# KiCad board OM-16LED.kicad_pcb (continued)
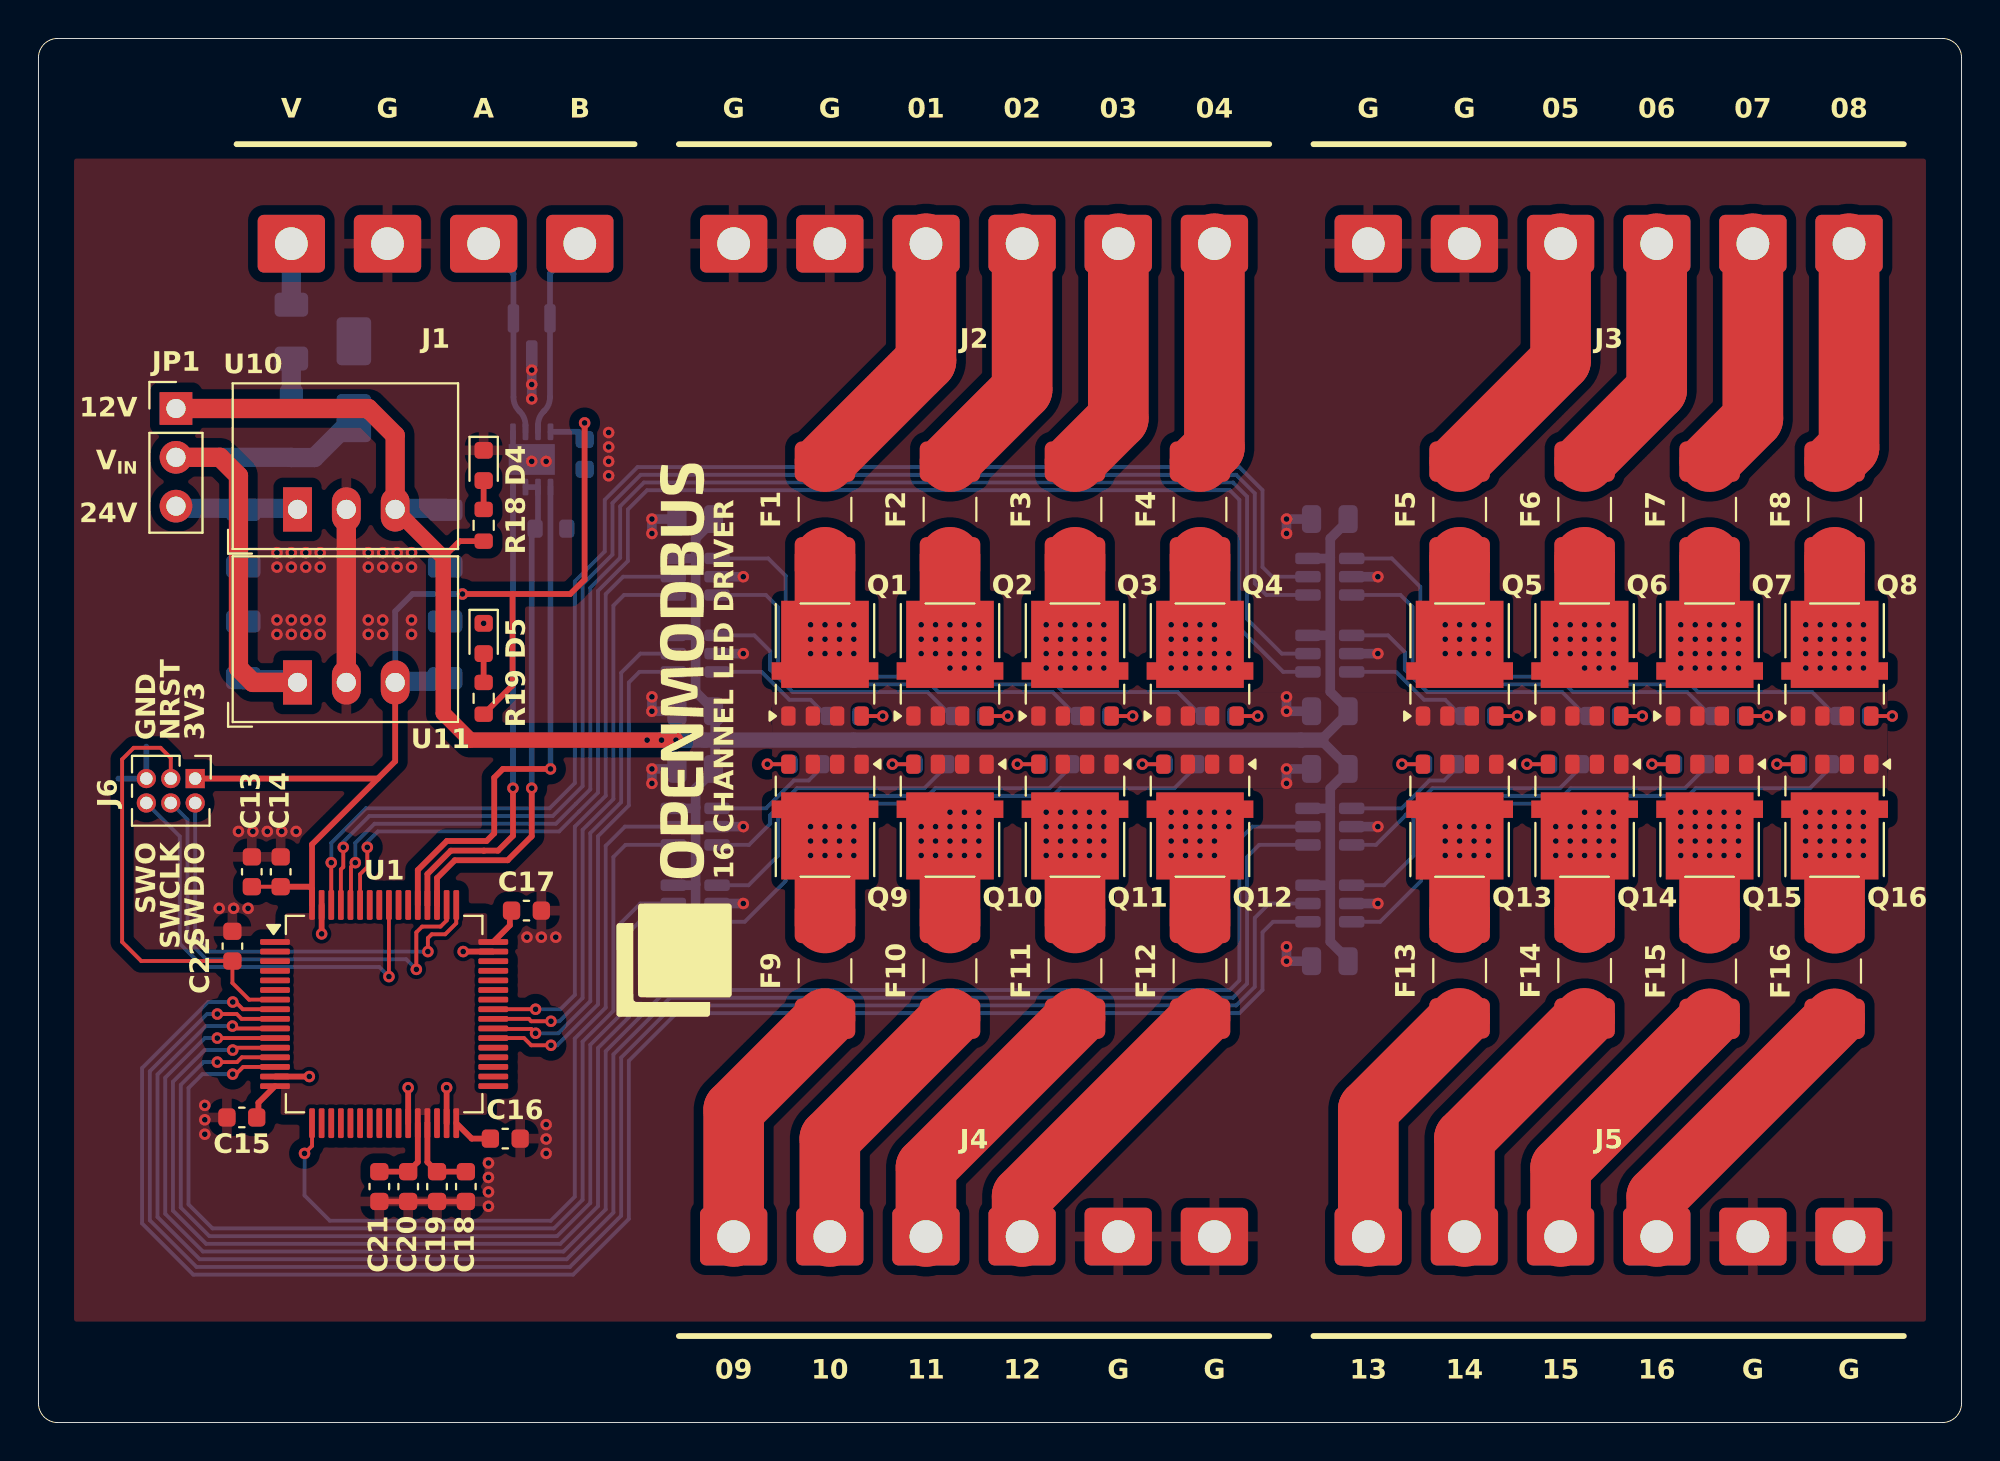
[diagram p0: board, top side]
## Footprints (pads in the part's own frame, mm; a bottom-side part is the same pattern mirrored in y, then rotated)
C_0603_1608Metric
  rrect 0.9x0.95 smd: 1(-0.775,0) 2(0.775,0)
C_0805_2012Metric
  rrect 1x1.45 smd: 1(-0.95,0) 2(0.95,0)
C_1206_3216Metric
  rrect 1.15x1.8 smd: 1(-1.475,0) 2(1.475,0)
Converter_DCDC_RECOM_R-78E-0.5_THT
  rect 1.5x2.3 hole 1: 1(0,0)
  oval 1.5x2.3 hole 1: 2(2.54,0) 3(5.08,0)
D_SMA
  rrect 2.5x1.8 smd: 1(-2,0) 2(2,0)
D_SOD-123
  rrect 0.9x1.2 smd: 1(-1.65,0) 2(1.65,0)
Fuse_0679H
  rrect 2.1x3.15 smd: 1(-2.487,0) 2(2.487,0)
Fuse_1206_3216Metric
  rrect 1.25x1.75 smd: 1(-1.4,0) 2(1.4,0)
LED_0603_1608Metric
  rrect 0.875x0.95 smd: 1(-0.787,0) 2(0.787,0)
LQFP-64_10x10mm_P0.5mm
  rrect 1.55x0.3 smd: 1(-5.675,3.75) 2(-5.675,3.25) 3(-5.675,2.75) 4(-5.675,2.25) 5(-5.675,1.75) 6(-5.675,1.25) 7(-5.675,0.75) 8(-5.675,0.25) 9(-5.675,-0.25) 10(-5.675,-0.75) 11(-5.675,-1.25) 12(-5.675,-1.75) 13(-5.675,-2.25) 14(-5.675,-2.75) 15(-5.675,-3.25) 16(-5.675,-3.75) 33(5.675,-3.75) 34(5.675,-3.25) 35(5.675,-2.75) 36(5.675,-2.25) 37(5.675,-1.75) 38(5.675,-1.25) 39(5.675,-0.75) 40(5.675,-0.25) 41(5.675,0.25) 42(5.675,0.75) 43(5.675,1.25) 44(5.675,1.75) 45(5.675,2.25) 46(5.675,2.75) 47(5.675,3.25) 48(5.675,3.75)
  rrect 0.3x1.55 smd: 17(-3.75,-5.675) 18(-3.25,-5.675) 19(-2.75,-5.675) 20(-2.25,-5.675) 21(-1.75,-5.675) 22(-1.25,-5.675) 23(-0.75,-5.675) 24(-0.25,-5.675) 25(0.25,-5.675) 26(0.75,-5.675) 27(1.25,-5.675) 28(1.75,-5.675) 29(2.25,-5.675) 30(2.75,-5.675) 31(3.25,-5.675) 32(3.75,-5.675) 49(3.75,5.675) 50(3.25,5.675) 51(2.75,5.675) 52(2.25,5.675) 53(1.75,5.675) 54(1.25,5.675) 55(0.75,5.675) 56(0.25,5.675) 57(-0.25,5.675) 58(-0.75,5.675) 59(-1.25,5.675) 60(-1.75,5.675) 61(-2.25,5.675) 62(-2.75,5.675) 63(-3.25,5.675) 64(-3.75,5.675)
ONSemi_SO-8FL_488AA
  rrect 1x0.75 smd: 1(-2.747,1.905) 2(-2.747,0.635) 3(-2.747,-0.635) 4(-2.747,-1.905)
  custom 4.53x5.55 smd: 5(0.745,0)
PinHeader_1x03_P2.54mm_Vertical
  rect 1.7x1.7 hole 1: 1(0,0)
  round 1.7 hole 1: 2(0,-2.54) 3(0,-5.08)
PinHeader_2x03_P1.27mm_Vertical
  rect 1x1 hole 0.65: 1(0,0)
  round 1 hole 0.65: 2(1.27,0) 3(0,-1.27) 4(1.27,-1.27) 5(0,-2.54) 6(1.27,-2.54)
R_0603_1608Metric
  rrect 0.8x0.95 smd: 1(-0.825,0) 2(0.825,0)
SOT-23
  rrect 1.475x0.6 smd: 1(-0.938,0.95) 2(-0.938,-0.95) 3(0.938,0)
SOT-23-6
  rrect 1.325x0.6 smd: 1(-1.137,0.95) 2(-1.137,0) 3(-1.137,-0.95) 4(1.137,-0.95) 5(1.137,0) 6(1.137,0.95)
TerminalBlock_DEGSON_2EDGVC-5.0-04P_No_SilkScreen
  rrect 3.5x3 hole 1.7: 1(0,0) 2(5,0) 3(10,0) 4(15,0)
TerminalBlock_DEGSON_2EDGVC-5.0-06P_No_SilkScreen
  rrect 3.5x3 hole 1.7: 1(0,0) 2(5,0) 3(10,0) 4(15,0) 5(20,0) 6(25,0)
VSON-8-1EP_3x3mm_P0.65mm_EP1.6x2.4mm
  rrect 1.29x0.97 smd: (0,-0.6) (0,0.6)
  rrect 0.875x0.3 smd: 1(-1.438,0.975) 2(-1.438,0.325) 3(-1.438,-0.325) 4(-1.438,-0.975) 5(1.438,-0.975) 6(1.438,-0.325) 7(1.438,0.325) 8(1.438,0.975)
  rect 1.6x2.4 smd: 9(0,0)

## Nets
+3V3: C12.1 C13.1 C14.1 C15.1 C16.1 C17.1 C18.1 C19.1 C20.1 C21.1 C23.2 J6.1 R19.1 U1.1 U1.16 U1.28 U1.29 U1.32 U1.48 U1.64 U11.3 U12.8
+12V: C1.1 C2.1 C3.1 C4.1 C5.1 C6.1 C7.1 C8.1 C10.1 JP1.1 R18.1 U2.6 U3.6 U4.6 U5.6 U6.6 U7.6 U8.6 U9.6 U10.3
+24V: C9.1 JP1.3 U10.1
GND: C1.2 C2.2 C3.2 C4.2 C5.2 C6.2 C7.2 C8.2 C9.2 C10.2 C11.2 C12.2 C13.2 C14.2 C15.2 C16.2 C17.2 C18.2 C19.2 C20.2 C21.2 C22.1 C23.1 D2.2 D3.3 D4.1 D5.1 J1.2 J2.1 J2.2 J3.1 J3.2 J4.1 J4.2 J5.1 J5.2 J6.5 Q1.1 Q1.2 Q1.3 Q2.1 Q2.2 Q2.3 Q3.1 Q3.2 Q3.3 Q4.1 Q4.2 Q4.3 Q5.1 Q5.2 Q5.3 Q6.1 Q6.2 Q6.3 Q7.1 Q7.2 Q7.3 Q8.1 Q8.2 Q8.3 Q9.1 Q9.2 Q9.3 Q10.1 Q10.2 Q10.3 Q11.1 Q11.2 Q11.3 Q12.1 Q12.2 Q12.3 Q13.1 Q13.2 Q13.3 Q14.1 Q14.2 Q14.3 Q15.1 Q15.2 Q15.3 Q16.1 Q16.2 Q16.3 R17.2 U1.15 U1.27 U1.31 U1.47 U1.63 U2.2 U3.2 U4.2 U5.2 U6.2 U7.2 U8.2 U9.2 U10.2 U11.2 U12.5 U12.9
VIN: C11.1 D1.1 D2.1 JP1.2 U11.1
A: D3.1 J1.3 U12.6
B: D3.2 J1.4 U12.7
CH1: F1.2 J2.3
CH2: F2.2 J2.4
CH3: F3.2 J2.5
CH4: F4.2 J2.6
CH5: F5.2 J3.3
CH6: F6.2 J3.4
CH7: F7.2 J3.5
CH8: F8.2 J3.6
CH9: F9.2 J4.6
CH10: F10.2 J4.5
CH11: F11.2 J4.4
CH12: F12.2 J4.3
CH13: F13.2 J5.6
CH14: F14.2 J5.5
CH15: F15.2 J5.4
CH16: F16.2 J5.3
DIR: R17.1 U1.51 U12.2 U12.3
IN1: U1.38 U2.4
IN2: U1.39 U2.5
IN3: U1.40 U3.4
IN4: U1.41 U3.5
IN5: U1.59 U4.4
IN6: U1.60 U4.5
IN7: U1.61 U5.4
IN8: U1.62 U5.5
IN9: U1.17 U6.5
IN10: U1.14 U6.4
IN11: U1.13 U7.5
IN12: U1.12 U7.4
IN13: U1.11 U8.5
IN14: U1.10 U8.4
IN15: U1.9 U9.5
IN16: U1.8 U9.4
NRST: C22.2 J6.3 U1.7
RX: U1.53 U12.1
SWCLK: J6.4 U1.50
SWDIO: J6.2 U1.49
SWO: J6.6 U1.56
TX: U1.52 U12.4
Net-(D1-A): D1.2 F17.2
Net-(D4-A): D4.2 R18.2
Net-(D5-A): D5.2 R19.2
Net-(J1-Pin_1): F17.1 J1.1
Net-(Q1-D): F1.1 Q1.5
Net-(Q1-G): Q1.4 R1.2
Net-(Q2-D): F2.1 Q2.5
Net-(Q2-G): Q2.4 R2.2
Net-(Q3-D): F3.1 Q3.5
Net-(Q3-G): Q3.4 R3.2
Net-(Q4-D): F4.1 Q4.5
Net-(Q4-G): Q4.4 R4.2
Net-(Q5-D): F5.1 Q5.5
Net-(Q5-G): Q5.4 R5.2
Net-(Q6-D): F6.1 Q6.5
Net-(Q6-G): Q6.4 R6.2
Net-(Q7-D): F7.1 Q7.5
Net-(Q7-G): Q7.4 R7.2
Net-(Q8-D): F8.1 Q8.5
Net-(Q8-G): Q8.4 R8.2
Net-(Q9-D): F9.1 Q9.5
Net-(Q9-G): Q9.4 R9.2
Net-(Q10-D): F10.1 Q10.5
Net-(Q10-G): Q10.4 R10.2
Net-(Q11-D): F11.1 Q11.5
Net-(Q11-G): Q11.4 R11.2
Net-(Q12-D): F12.1 Q12.5
Net-(Q12-G): Q12.4 R12.2
Net-(Q13-D): F13.1 Q13.5
Net-(Q13-G): Q13.4 R13.2
Net-(Q14-D): F14.1 Q14.5
Net-(Q14-G): Q14.4 R14.2
Net-(Q15-D): F15.1 Q15.5
Net-(Q15-G): Q15.4 R15.2
Net-(Q16-D): F16.1 Q16.5
Net-(Q16-G): Q16.4 R16.2
Net-(U2-OUTA): R1.1 U2.3
Net-(U2-OUTB): R2.1 U2.1
Net-(U3-OUTA): R3.1 U3.3
Net-(U3-OUTB): R4.1 U3.1
Net-(U4-OUTA): R5.1 U4.3
Net-(U4-OUTB): R6.1 U4.1
Net-(U5-OUTA): R7.1 U5.3
Net-(U5-OUTB): R8.1 U5.1
Net-(U6-OUTA): R10.1 U6.3
Net-(U6-OUTB): R9.1 U6.1
Net-(U7-OUTA): R12.1 U7.3
Net-(U7-OUTB): R11.1 U7.1
Net-(U8-OUTA): R14.1 U8.3
Net-(U8-OUTB): R13.1 U8.1
Net-(U9-OUTA): R16.1 U9.3
Net-(U9-OUTB): R15.1 U9.1

Pads without a net: U1 2 3 4 5 6 18 19 20 21 22 23 24 25 26 30 33 34 35 36 37 42 43 44 45 46 54 55 57 58

## Via types
v1: diameter 0.6, hole 0.3, Top to Bottom, 409 vias

## Routing (per net, layer and track width the routed paths; a pad name or vN(x,y) marks a point on that pad's centre or on a via; arc(x,y) is an arc through that point)
+3V3: length 75.2
  Top w0.2: C13.1 C14.1
  Top w0.3: 23.41,14.77 22.53,14.77 U1.32 ; v1(28.4,52) 28.4,43.85 27.65,43.1 24.65,43.1 ; 17.65,33.5 14.22,30.08 14.22,27.75 ; 17.65,33.5 J6.1 ; 17.65,33.5 18.55,34.4 U11.3 ; U1.28 19.73,13.55 C20.1 C21.1 ; R19.1 24.65,38.35 24.65,43.1 ; 11.44,15.87 11.44,16.64 U1.16 ; v1(22.05,43.1) 24.65,43.1 ; 24.51,26.63 24.51,25.86 U1.48 ; C18.1 C19.1 20.22,13.55 20.22,15.58 ; 14.22,27.75 14.1,27.88 C14.1 ; 14.22,27.75 U1.64
  Bottom w0.3: U11.3 18.55,42.2 19.45,43.1 v1(22.05,43.1) ; v1(28.4,52) C23.2 ; U12.8 28.09,51.54 28.4,51.23
  Bottom w1: U11.3 18.61,38.56 21.15,38.56
+12V: length 140.3
  Top w0.3: 21.05,45 21.9,45.85 R18.1
  Top w0.8: U10.3 21.05,45 21.05,36.9 22.45,35.5 v1(33.15,35.5)
  Top w1: JP1.1 17.15,52.75 18.55,51.35 18.55,47.54
  Bottom w0.5: 67.17,28 67.17,32 ; 67.17,28 67.12,27.95 U9.6 ; 67.17,28 67.17,25.01 68.19,24 ; 67.17,32 67.12,31.95 U8.6 ; 67.17,32 67.17,32.99 68.19,34 66.69,35.5 68.19,37 67.17,38.01 67.17,41 ; U3.6 34.12,44.95 34.17,45 ; 67.17,45 67.17,45.99 68.19,47 ; 67.17,45 67.17,41 ; 67.17,45 67.12,44.95 U5.6 ; 67.17,41 67.12,40.95 U4.6 ; 34.17,28 34.12,27.95 U7.6 ; 34.17,28 34.17,32 ; 34.17,28 34.17,25.01 35.19,24 ; U2.6 34.12,40.95 34.17,41 ; 34.17,32 34.17,32.99 35.19,34 35.19,37 34.17,38.01 34.17,41 ; 34.17,32 34.12,31.95 U6.6 ; 34.17,41 34.17,45 ; 34.17,45 34.17,45.99 35.19,47
  Bottom w0.8: v1(31.65,35.5) v1(32.4,35.5) v1(33.15,35.5) 35.15,35.5 ; 35.15,35.5 35.19,35.46 ; 35.15,35.5 66.69,35.5
  Bottom w1: U10.3 18.61,47.56 21.15,47.56
+24V: length 6.6
  Bottom w1: JP1.3 7.26,47.56 13.41,47.56 U10.1 ; 13.34,47.67 13.47,47.54
GND: length 64.7
  Top w0.3: U1.31 v1(21.23,17.42) ; C21.2 C18.2 ; v1(14.72,25.42) U1.63 ; U1.27 v1(19.23,17.42) ; U1.15 v1(14.08,18) ; U1.47 v1(22.09,24.5)
  Top w1: U10.2 U11.2
  Bottom w0.3: U12.5 24.67,50.23 24.9,50 ; 4.15,33.5 J6.5 5.61,35.16
  Bottom w0.5: v1(25.65,53.25) D3.3 ; v1(69.65,40) U4.2 ; v1(36.65,31) U6.2 ; 33.11,34 v1(31.9,34) v1(31.9,33.25) ; 66.11,37 v1(64.9,37) v1(64.9,37.75) ; 66.11,34 v1(64.9,34) v1(64.9,33.25) ; 66.11,47 v1(64.9,47) v1(64.9,46.25) ; v1(31.9,37.75) v1(31.9,37) 33.11,37 ; v1(69.65,44) U5.2 ; v1(31.9,24.75) v1(31.9,24) 33.11,24 ; v1(31.9,46.25) v1(31.9,47) 33.11,47 ; v1(36.65,27) U7.2 ; v1(64.9,24.75) v1(64.9,24) 66.11,24 ; v1(69.65,31) U8.2 ; v1(36.65,40) U2.2 ; v1(69.65,27) U9.2 ; v1(36.65,44) U3.2
  Bottom w1: U10.2 U11.2
  vias: v1(8.65,16.5) v1(8.65,15.75) v1(8.65,15) v1(9.4,26.75) v1(10.15,26.75) v1(10.4,30.75) v1(10.9,26.75) v1(11.15,30.75) v1(11.9,30.75) v1(12.4,45.25) v1(12.4,44.5) v1(12.4,41.75) v1(12.4,41) v1(12.65,30.75) v1(13.15,45.25) v1(13.15,44.5) v1(13.15,41.75) v1(13.15,41) v1(13.4,30.75) v1(13.9,45.25) v1(13.9,44.5) v1(13.9,41.75) v1(13.9,41) v1(14.65,45.25) v1(14.65,44.5) v1(14.65,41.75) v1(14.65,41) v1(17.15,45.25) v1(17.15,44.5) v1(17.15,41.75) v1(17.15,41) v1(17.9,45.25) v1(17.9,44.5) v1(17.9,41.75) v1(17.9,41) v1(18.65,45.25) v1(18.65,44.5) v1(19.4,45.25) v1(19.4,44.5) v1(19.4,41.75) v1(19.4,41) v1(23.15,41.58) v1(23.4,13.5) v1(23.4,12.75) v1(23.4,12) v1(23.4,11.25) v1(25.4,25.25) v1(25.65,54.75) v1(25.65,54) v1(25.65,50) v1(26.15,25.25) v1(26.4,50) v1(26.4,15.5) v1(26.4,14.75) v1(26.4,14) v1(26.9,25.25) v1(29.65,51.5) v1(29.65,50.75) v1(29.65,50) v1(29.65,49.25)
VIN: length 30
  Top w1: JP1.2 9.44,50.21 10.4,49.25 10.4,39.25 11.15,38.5 U11.1
  Bottom w1: U11.1 13.33,38.64 10.65,38.64 ; D2.1 14.35,50.2 D1.1 13.14,50.21 JP1.2
A: length 10.6
  Bottom w0.3: J1.3 24.7,59.77 D3.1 24.7,53.34 arc(24.78,52.96) 24.99,52.63 25.03,52.59 arc(25.25,52.27) 25.32,51.89 U12.6
B: length 10.6
  Bottom w0.3: U12.7 25.98,51.89 arc(26.05,52.27) 26.27,52.59 26.31,52.63 arc(26.52,52.96) 26.6,53.34 D3.2 26.6,59.77 J1.4
CH1: length 13.5
  Top w3.15: J2.3 46.15,55.24 F1.2
CH2: length 12.9
  Top w3.15: F2.2 51.15,53.74 J2.4
CH3: length 12.3
  Top w3.15: F3.2 56.15,52.24 J2.5
CH4: length 11.6
  Top w3.15: F4.2 61.15,50.74 J2.6
CH5: length 13.5
  Top w3.15: F5.2 79.15,55.24 J3.3
CH6: length 12.9
  Top w3.15: J3.4 84.15,53.74 F6.2
CH7: length 12.3
  Top w3.15: J3.5 89.15,52.24 F7.2
CH8: length 11.6
  Top w3.15: F8.2 94.15,50.74 J3.6
CH9: length 13.3
  Top w3.15: F9.2 36.15,16.26 J4.6
CH10: length 13.9
  Top w3.15: F10.2 41.15,14.76 J4.5
CH11: length 14.5
  Top w3.15: J4.4 46.15,13.26 F11.2
CH12: length 15.2
  Top w3.15: F12.2 51.15,11.76 J4.3
CH13: length 13.3
  Top w3.15: J5.6 69.15,16.28 F13.2
CH14: length 13.9
  Top w3.15: F14.2 74.15,14.78 J5.5
CH15: length 14.5
  Top w3.15: F15.2 79.15,13.25 J5.4
CH16: length 15.2
  Top w3.15: F16.2 84.15,11.75 J5.3
DIR: length 26.2
  Top w0.3: U1.51 20.73,28.33 21.65,29.25 24.4,29.25 25.65,30.5 v1(25.65,33)
  Bottom w0.3: v1(25.65,33) 25.65,46.33 R17.1 25.98,46.65 U12.2 U12.3
IN1: length 26.5
  Top w0.2: v1(26.65,19.62) 25.63,19.62 25.25,20 U1.38
  Bottom w0.2: 26.66,19.64 v1(26.65,19.62) 26.97,19.62 29.1,21.75 29.1,30.5 30.7,32.1 30.7,38.5 31.25,39.05 U2.4
IN2: length 26.7
  Top w0.2: v1(25.85,20.25) 25.63,20.47 23.68,20.47
  Bottom w0.2: v1(25.85,20.25) 27.03,20.25 28.7,21.92 28.7,30.67 30.3,32.27 30.3,39 31.3,40 U2.5
IN3: length 29.6
  Top w0.2: U1.40 25.5,21 25.63,20.88 v1(26.65,20.88)
  Bottom w0.2: v1(26.65,20.88) 27.09,20.88 28.29,22.08 28.29,30.83 29.9,32.44 29.9,42.5 30.45,43.05 U3.4
IN4: length 30
  Top w0.2: U1.41 v1(25.85,21.5)
  Bottom w0.2: v1(25.85,21.5) 27.14,21.5 27.89,22.25 27.89,31 29.5,32.6 29.5,43.1 30.4,44 U3.5
IN5: length 75.5
  Top w0.2: U1.59 16.73,28.53 17.1,28.9 v1(17.1,29.92)
  Bottom w0.2: 17.09,29.94 v1(17.1,29.92) 17.1,30.2 17.65,30.75 27.08,30.75 28.11,31.79 28.11,31.79 29.1,32.77 29.1,43.26 30.65,44.82 30.65,47.5 31.65,48.5 61.95,48.5 62.45,48 62.45,41.33 64.72,39.05 U4.4
IN6: length 75.8
  Top w0.2: U1.60 16.25,26.95 16.25,28.9 v1(16.48,29.12)
  Bottom w0.2: U4.5 64.65,40 62.85,41.8 62.85,48.17 62.11,48.9 31.48,48.9 30.25,47.67 30.25,44.98 28.7,43.43 28.7,32.93 27.96,32.19 27.95,32.19 26.91,31.15 17.48,31.15 16.48,30.15 v1(16.48,29.12)
IN7: length 74.6
  Top w0.2: v1(15.85,29.92) 15.85,28.9 15.73,28.78 U1.61
  Bottom w0.2: U5.4 63.85,43.05 63.25,43.65 63.25,48.33 62.28,49.3 31.32,49.3 29.85,47.83 29.85,45.15 28.29,43.6 28.29,33.1 26.74,31.55 17.2,31.55 15.85,30.2 v1(15.85,29.92) 15.85,30.09
IN8: length 74.5
  Top w0.2: U1.62 v1(15.23,29.12)
  Bottom w0.2: v1(15.23,29.12) 15.23,30.15 17.03,31.95 26.58,31.95 27.89,33.27 27.89,43.76 29.45,45.32 29.45,48 31.15,49.7 62.45,49.7 63.65,48.5 63.65,44.5 64.15,44 U5.5
IN9: length 41.9
  Top w0.2: v1(13.83,14) 14.22,14.39 U1.17
  Bottom w0.2: v1(13.83,14) 13.83,11.81 15.15,10.5 26.64,10.5 27.89,11.75 27.89,19.98 29.5,21.59 29.5,30 30.5,31 U6.5
IN10: length 54.5
  Top w0.2: v1(10.1,18.12) 10.27,18.12 10.64,18.5 U1.14
  Bottom w0.2: U6.4 30.52,30.05 29.9,29.42 29.9,21.42 28.29,19.82 28.29,11.59 26.8,10.1 9.05,10.1 7.8,11.35 7.8,17.4 8.52,18.12 v1(10.1,18.12)
IN11: length 53
  Top w0.2: U1.13 10.57,19 10.32,18.75 v1(9.3,18.75)
  Bottom w0.2: 9.22,18.83 v1(9.3,18.75) 8.58,18.75 7.4,17.57 7.4,11.18 8.88,9.7 26.97,9.7 28.7,11.42 28.7,19.65 30.3,21.25 30.3,26 31.3,27 U7.5
IN12: length 53.8
  Top w0.2: U1.12 10.22,19.5 v1(10.1,19.38)
  Bottom w0.2: U7.4 31.25,26.05 30.7,25.5 30.7,21.09 29.1,19.48 29.1,11.26 27.14,9.3 8.72,9.3 6.99,11.02 6.99,17.73 8.64,19.38 v1(10.1,19.38)
IN13: length 92.2
  Top w0.2: v1(9.3,20) U1.11
  Bottom w0.2: 9.3,20 v1(9.3,20) ; v1(9.3,20) 8.65,20 6.59,17.94 6.59,10.86 8.55,8.9 27.3,8.9 29.5,11.09 29.5,19.32 32.68,22.5 61.95,22.5 62.45,23 62.45,30.32 63.12,31 U8.5 ; v1(9.3,20) 9.29,20.01
IN14: length 93
  Top w0.2: v1(10.09,20.62) 10.21,20.5 U1.10
  Bottom w0.2: v1(10.09,20.62) 8.71,20.62 6.19,18.11 6.19,10.69 8.39,8.5 27.47,8.5 29.9,10.92 29.9,19.15 32.85,22.1 62.11,22.1 62.85,22.83 62.85,29.42 63.48,30.05 U8.4
IN15: length 91.6
  Top w0.2: v1(9.3,21.25) 10.31,21.25 10.56,21 U1.9
  Bottom w0.2: v1(9.3,21.25) 8.77,21.25 5.79,18.27 5.79,10.52 8.22,8.09 27.63,8.09 30.3,10.76 30.3,18.98 33.01,21.7 62.28,21.7 63.25,22.67 63.25,26.25 64,27 U9.5
IN16: length 92.5
  Top w0.2: U1.8 10.63,21.5 10.25,21.88 v1(10.1,21.88)
  Bottom w0.2: U9.4 64.2,26.05 63.65,25.5 63.65,22.5 62.45,21.3 33.18,21.3 30.7,18.82 30.7,10.59 27.8,7.69 8.05,7.69 5.39,10.36 5.39,18.44 8.82,21.88 v1(10.1,21.88)
NRST: length 23.3
  Top w0.2: J6.3 6.88,34.57 6.35,35.1 4.95,35.1 4.35,34.5 4.35,25 5.34,24.01 C22.2 ; 10.08,23.92 10.08,22.86 10.95,22 U1.7
RX: length 27.3
  Top w0.3: U1.53 19.73,28.74 21.23,30.25 23.3,30.25 23.7,30.65 23.7,33.55 24.15,34 v1(26.62,34)
  Bottom w0.3: U12.1 v1(26.62,34)
SWCLK: length 24.6
  Top w0.2: v1(19.65,23.57) 19.65,25.5 19.95,25.8 20.91,25.8 21.23,26.12 U1.50
  Bottom w0.2: J6.4 7.75,31.36 7.75,25.08 8.73,24.1 19.12,24.1 v1(19.65,23.57)
SWDIO: length 22.8
  Top w0.2: U1.49 21.73,25.98 21.15,25.4 20.45,25.4 20.25,25.2 v1(20.25,24.5)
  Bottom w0.2: v1(20.25,24.5) 8.9,24.5 8.15,25.25 J6.2
SWO: length 23.1
  Top w0.2: 18.23,23.45 U1.56
  Bottom w0.2: J6.6 7.35,30.49 7.35,24.92 8.57,23.7 17.73,23.7 v1(18.23,23.2)
TX: length 25
  Top w0.3: U1.52 20.23,28.53 21.44,29.75 23.15,29.75 23.15,29.75 23.9,29.75 24.67,30.52 v1(24.67,33)
  Bottom w0.3: U12.4 v1(24.67,33)
Net-(D1-A): length 1.9
  Bottom w1: F17.2 D1.2
Net-(D4-A): length 1.5
  Top w0.3: D4.2 R18.2
Net-(D5-A): length 1.5
  Top w0.3: D5.2 R19.2
Net-(J1-Pin_1): length 3.2
  Bottom w1: J1.1 F17.1
Net-(Q1-D): length 4.8
  Top w3.15: F1.1 Q1.5
  vias: v1(40.15,41.5) v1(40.15,40.75) v1(40.15,40) v1(40.9,41.5) v1(40.9,40.75) v1(40.9,40) v1(41.65,41.5) v1(41.65,40.75) v1(41.65,40) v1(42.4,41.5) v1(42.4,40.75) v1(42.4,40)
Net-(Q1-G): length 2.2
  Top w0.2: Q1.4 42.81,36.75 v1(43.9,36.75)
  Bottom w0.2: v1(43.9,36.75) 43.9,36.75 Q1.4
Net-(Q2-D): length 4.8
  Top w3.15: F2.1 Q2.5
  vias: v1(45.9,41.5) v1(45.9,40.75) v1(45.9,40) v1(46.65,41.5) v1(46.65,40.75) v1(46.65,40) v1(47.4,41.5) v1(47.4,40.75) v1(47.4,40) v1(47.4,39.25) v1(48.15,41.5) v1(48.15,40.75) v1(48.15,40) v1(48.15,39.25) v1(48.9,41.5) v1(48.9,40.75) v1(48.9,40) v1(48.9,39.25)
Net-(Q2-G): length 2.2
  Top w0.2: v1(50.4,36.75) 50.4,36.75 Q2.4
  Bottom w0.2: v1(50.4,36.75) 50.4,36.75 Q2.4
Net-(Q3-D): length 4.8
  Top w3.15: F3.1 Q3.5
  vias: v1(52.4,41.5) v1(52.4,40.75) v1(52.4,40) v1(52.4,39.25) v1(53.15,41.5) v1(53.15,40.75) v1(53.15,40) v1(53.15,39.25) v1(53.9,41.5) v1(53.9,40.75) v1(53.9,40) v1(53.9,39.25) v1(54.65,41.5) v1(54.65,40.75) v1(54.65,40) v1(54.65,39.25) v1(55.4,41.5) v1(55.4,40.75) v1(55.4,40) v1(55.4,39.25)
Net-(Q3-G): length 2.2
  Top w0.2: Q3.4 v1(56.9,36.75)
  Bottom w0.2: 56.9,36.75 v1(56.9,36.75) Q3.4
Net-(Q4-D): length 4.8
  Top w3.15: F4.1 Q4.5
  vias: v1(58.9,41.5) v1(58.9,40.75) v1(58.9,40) v1(58.9,39.25) v1(59.65,41.5) v1(59.65,40.75) v1(59.65,40) v1(59.65,39.25) v1(60.4,41.5) v1(60.4,40.75) v1(60.4,40) v1(60.4,39.25) v1(61.15,41.5) v1(61.15,40.75) v1(61.15,40) v1(61.15,39.25) v1(61.9,40) v1(61.9,39.25)
Net-(Q4-G): length 2.2
  Top w0.2: v1(63.4,36.75) 63.4,36.75 Q4.4
  Bottom w0.2: Q4.4 63.4,36.75 v1(63.4,36.75)
Net-(Q5-D): length 4.8
  Top w3.15: F5.1 Q5.5
  vias: v1(73.15,41.5) v1(73.15,40.75) v1(73.15,40) v1(73.9,41.5) v1(73.9,40.75) v1(73.9,40) v1(74.65,41.5) v1(74.65,40.75) v1(74.65,40) v1(75.4,41.5) v1(75.4,40.75) v1(75.4,40)
Net-(Q5-G): length 2.2
  Top w0.2: v1(76.9,36.75) 75.81,36.75 Q5.4
  Bottom w0.2: v1(76.9,36.75) 76.9,36.75 Q5.4
Net-(Q6-D): length 4.8
  Top w3.15: F6.1 Q6.5
  vias: v1(78.9,41.5) v1(78.9,40.75) v1(78.9,40) v1(79.65,41.5) v1(79.65,40.75) v1(79.65,40) v1(80.4,41.5) v1(80.4,40.75) v1(80.4,40) v1(80.4,39.25) v1(81.15,41.5) v1(81.15,40.75) v1(81.15,40) v1(81.15,39.25) v1(81.9,41.5) v1(81.9,40.75) v1(81.9,40) v1(81.9,39.25)
Net-(Q6-G): length 2.2
  Top w0.2: v1(83.4,36.75) 82.31,36.75 Q6.4
  Bottom w0.2: Q6.4 83.4,36.75 v1(83.4,36.75)
Net-(Q7-D): length 4.8
  Top w3.15: F7.1 Q7.5
  vias: v1(85.4,41.5) v1(85.4,40.75) v1(85.4,40) v1(85.4,39.25) v1(86.15,41.5) v1(86.15,40.75) v1(86.15,40) v1(86.15,39.25) v1(86.9,41.5) v1(86.9,40.75) v1(86.9,40) v1(86.9,39.25) v1(87.65,41.5) v1(87.65,40.75) v1(87.65,40) v1(87.65,39.25) v1(88.4,41.5) v1(88.4,40.75) v1(88.4,40) v1(88.4,39.25)
Net-(Q7-G): length 2.2
  Top w0.2: Q7.4 88.81,36.75 v1(89.9,36.75)
  Bottom w0.2: Q7.4 89.9,36.75 v1(89.9,36.75)
Net-(Q8-D): length 4.8
  Top w3.15: F8.1 Q8.5
  vias: v1(91.9,41.5) v1(91.9,40.75) v1(91.9,40) v1(91.9,39.25) v1(92.65,41.5) v1(92.65,40.75) v1(92.65,40) v1(92.65,39.25) v1(93.4,41.5) v1(93.4,40.75) v1(93.4,40) v1(93.4,39.25) v1(94.15,41.5) v1(94.15,40.75) v1(94.15,40) v1(94.15,39.25) v1(94.9,41.5) v1(94.9,40.75) v1(94.9,40) v1(94.9,39.25)
Net-(Q8-G): length 2.2
  Top w0.2: v1(96.4,36.75) Q8.4
  Bottom w0.2: Q8.4 v1(96.4,36.75) 96.4,36.75
Net-(Q9-D): length 4.8
  Top w3.15: F9.1 Q9.5
  vias: v1(40.15,31) v1(40.15,30.25) v1(40.15,29.5) v1(40.9,31) v1(40.9,30.25) v1(40.9,29.5) v1(41.65,31) v1(41.65,30.25) v1(41.65,29.5) v1(42.4,31) v1(42.4,30.25) v1(42.4,29.5)
Net-(Q9-G): length 2.2
  Top w0.2: v1(37.9,34.25) Q9.4
  Bottom w0.2: Q9.4 v1(37.9,34.25) 37.9,34.25
Net-(Q10-D): length 4.8
  Top w3.15: F10.1 Q10.5
  vias: v1(45.9,31) v1(45.9,30.25) v1(45.9,29.5) v1(46.65,31) v1(46.65,30.25) v1(46.65,29.5) v1(47.4,31.75) v1(47.4,31) v1(47.4,30.25) v1(47.4,29.5) v1(48.15,31.75) v1(48.15,31) v1(48.15,30.25) v1(48.15,29.5) v1(48.9,31.75) v1(48.9,31) v1(48.9,30.25) v1(48.9,29.5)
Net-(Q10-G): length 2.2
  Top w0.2: v1(44.4,34.25) Q10.4
  Bottom w0.2: Q10.4 v1(44.4,34.25) 44.4,34.25
Net-(Q11-D): length 4.8
  Top w3.15: F11.1 Q11.5
  vias: v1(52.4,31.75) v1(52.4,31) v1(52.4,30.25) v1(52.4,29.5) v1(53.15,31.75) v1(53.15,31) v1(53.15,30.25) v1(53.15,29.5) v1(53.9,31.75) v1(53.9,31) v1(53.9,30.25) v1(53.9,29.5) v1(54.65,31.75) v1(54.65,31) v1(54.65,30.25) v1(54.65,29.5) v1(55.4,31.75) v1(55.4,31) v1(55.4,30.25) v1(55.4,29.5)
Net-(Q11-G): length 2.2
  Top w0.2: Q11.4 v1(50.9,34.25)
  Bottom w0.2: Q11.4 v1(50.9,34.25) 50.9,34.25
Net-(Q12-D): length 4.8
  Top w3.15: F12.1 Q12.5
  vias: v1(58.9,31.75) v1(58.9,31) v1(58.9,30.25) v1(58.9,29.5) v1(59.65,31.75) v1(59.65,31) v1(59.65,30.25) v1(59.65,29.5) v1(60.4,31.75) v1(60.4,31) v1(60.4,30.25) v1(60.4,29.5) v1(61.15,31.75) v1(61.15,31) v1(61.15,30.25) v1(61.15,29.5) v1(61.9,31.75) v1(61.9,31)
Net-(Q12-G): length 2.2
  Top w0.2: v1(57.4,34.25) Q12.4
  Bottom w0.2: 57.4,34.25 v1(57.4,34.25) Q12.4
Net-(Q13-D): length 4.8
  Top w3.15: F13.1 Q13.5
  vias: v1(73.15,31) v1(73.15,30.25) v1(73.15,29.5) v1(73.9,31) v1(73.9,30.25) v1(73.9,29.5) v1(74.65,31) v1(74.65,30.25) v1(74.65,29.5) v1(75.4,31) v1(75.4,30.25) v1(75.4,29.5)
Net-(Q13-G): length 2.2
  Top w0.2: v1(70.9,34.25) Q13.4
  Bottom w0.2: 70.9,34.25 v1(70.9,34.25) Q13.4
Net-(Q14-D): length 4.8
  Top w3.15: F14.1 Q14.5
  vias: v1(78.9,31) v1(78.9,30.25) v1(78.9,29.5) v1(79.65,31) v1(79.65,30.25) v1(79.65,29.5) v1(80.4,31.75) v1(80.4,31) v1(80.4,30.25) v1(80.4,29.5) v1(81.15,31.75) v1(81.15,31) v1(81.15,30.25) v1(81.15,29.5) v1(81.9,31.75) v1(81.9,31) v1(81.9,30.25) v1(81.9,29.5)
Net-(Q14-G): length 2.2
  Top w0.2: v1(77.4,34.25) Q14.4
  Bottom w0.2: 77.4,34.25 v1(77.4,34.25) Q14.4
Net-(Q15-D): length 4.8
  Top w3.15: 86.9,25.98 Q15.5
  vias: v1(85.4,31.75) v1(85.4,31) v1(85.4,30.25) v1(85.4,29.5) v1(86.15,31.75) v1(86.15,31) v1(86.15,30.25) v1(86.15,29.5) v1(86.9,31.75) v1(86.9,31) v1(86.9,30.25) v1(86.9,29.5) v1(87.65,31.75) v1(87.65,31) v1(87.65,30.25) v1(87.65,29.5) v1(88.4,31.75) v1(88.4,31) v1(88.4,30.25) v1(88.4,29.5)
Net-(Q15-G): length 2.2
  Top w0.2: v1(83.9,34.25) Q15.4
  Bottom w0.2: 83.9,34.25 v1(83.9,34.25) Q15.4
Net-(Q16-D): length 4.8
  Top w3.15: 93.4,25.98 Q16.5
  vias: v1(91.89,31.75) v1(91.89,31) v1(91.89,30.25) v1(91.89,29.5) v1(92.64,31.75) v1(92.64,31) v1(92.64,30.25) v1(92.64,29.5) v1(93.39,31.75) v1(93.39,31) v1(93.39,30.25) v1(93.39,29.5) v1(94.14,31.75) v1(94.14,31) v1(94.14,30.25) v1(94.14,29.5) v1(94.89,31.75) v1(94.89,31) v1(94.89,30.25) v1(94.89,29.5)
Net-(Q16-G): length 2.2
  Top w0.2: v1(90.4,34.25) Q16.4
  Bottom w0.2: Q16.4 v1(90.4,34.25) 90.4,34.25
Net-(U2-OUTA): length 6.7
  Bottom w0.2: U2.3 37.6,39.05 39.05,37.6 40.15,37.6 40.98,36.75 40.9,36.75
Net-(U2-OUTB): length 14.5
  Bottom w0.2: U2.1 37.23,40.95 38.05,40.12 38.05,39.17 39.22,38 39.99,38 39.99,38 40.15,38 46.23,38 47.48,36.75
Net-(U3-OUTA): length 23.1
  Bottom w0.2: 53.98,36.75 52.73,38 46.8,38 46.4,38.4 40.16,38.4 40.15,38.4 39.99,38.4 39.83,38.4 39.82,38.4 39.38,38.4 38.45,39.33 38.45,42.42 37.82,43.05 U3.3
Net-(U3-OUTB): length 31.3
  Bottom w0.2: 60.48,36.75 59.23,38 53.3,38 52.9,38.4 46.97,38.4 46.56,38.8 40.32,38.8 40.32,38.8 39.99,38.8 39.99,38.81 39.82,38.81 39.66,38.81 39.65,38.8 39.55,38.8 38.85,39.5 38.85,44.05 37.95,44.95 U3.1
Net-(U4-OUTA): length 6.6
  Bottom w0.2: 73.98,36.75 73.15,37.6 72.05,37.6 70.6,39.05 U4.3
Net-(U4-OUTB): length 14.5
  Bottom w0.2: U4.1 70.18,40.95 71.05,40.08 71.05,39.17 72.22,38 72.99,38 72.99,38 73.15,38 79.23,38 80.48,36.75
Net-(U5-OUTA): length 23.1
  Bottom w0.2: 86.98,36.75 85.73,38 79.8,38 79.4,38.4 73.16,38.4 73.15,38.4 72.99,38.4 72.83,38.4 72.82,38.4 72.38,38.4 71.45,39.33 71.45,42.42 70.82,43.05 U5.3
Net-(U5-OUTB): length 30.9
  Bottom w0.2: U5.1 70.38,44.95 71.85,43.47 71.85,39.5 72.55,38.8 72.65,38.8 72.66,38.81 72.82,38.81 72.99,38.81 72.99,38.8 73.32,38.8 73.32,38.8 79.56,38.8 79.97,38.4 85.9,38.4 86.3,38 92.23,38 93.48,36.75
Net-(U6-OUTA): length 14
  Bottom w0.2: U6.3 36.95,30.05 38.05,31.15 38.05,31.6 39.45,33 46.07,33 47.32,34.25
Net-(U6-OUTB): length 6.5
  Bottom w0.2: U6.1 37.83,31.95 39.29,33.4 40.05,33.4 40.82,34.17 40.82,34.25
Net-(U7-OUTA): length 30.2
  Bottom w0.2: U7.3 36.73,26.05 38.85,28.18 38.85,31.27 39.78,32.2 46.4,32.2 46.81,32.6 52.74,32.6 53.14,33 59.07,33 60.32,34.25
Net-(U7-OUTB): length 22.3
  Bottom w0.2: U7.1 36.92,27.95 38.45,29.48 38.45,31.43 39.62,32.6 46.24,32.6 46.64,33 52.57,33 53.82,34.25
Net-(U8-OUTA): length 13.8
  Bottom w0.2: U8.3 69.55,30.05 71.09,31.59 71.09,31.6 72.5,33 79.12,33 80.32,34.2 80.32,34.25
Net-(U8-OUTB): length 6.6
  Bottom w0.2: U8.1 70.88,31.95 72.33,33.4 73.09,33.4 73.86,34.17 73.86,34.25
Net-(U9-OUTA): length 30.3
  Bottom w0.2: 93.36,34.25 92.12,33 86.18,33 85.78,32.6 79.85,32.6 79.45,32.2 72.83,32.2 71.9,31.27 71.9,28.18 69.77,26.05 U9.3
Net-(U9-OUTB): length 22.3
  Bottom w0.2: 86.86,34.25 85.62,33 79.68,33 79.28,32.6 72.66,32.6 71.5,31.43 71.5,29.48 69.97,27.95 U9.1

## Copper pours and planes (outline as drawn; the poured copper is in the pictures)
+3V3 on Top: 12.83,26.5 23.34,26.5 23.34,16 12.58,16
GND on Top: 38.15,38 96.15,38 96.15,33 38.15,33
GND on Top, Bottom: 1.85,65.75 98.15,65.75 98.15,5.25 1.85,5.25
Net-(Q1-D) on Bottom: 38.15,47.5 43.65,47.5 43.65,38 38.15,38
Net-(Q2-D) on Bottom: 44.65,47.5 50.15,47.5 50.15,38 44.65,38
Net-(Q3-D) on Bottom: 51.15,47.5 56.65,47.5 56.65,38 51.15,38
Net-(Q4-D) on Bottom: 57.65,47.5 63.15,47.5 63.15,38 57.65,38
Net-(Q5-D) on Bottom: 71.15,47.5 76.65,47.5 76.65,38 71.15,38
Net-(Q6-D) on Bottom: 77.65,47.5 83.15,47.5 83.15,38 77.65,38
Net-(Q7-D) on Bottom: 84.15,47.5 89.65,47.5 89.65,38 84.15,38
Net-(Q8-D) on Bottom: 90.65,47.5 96.15,47.5 96.15,38 90.65,38
Net-(Q9-D) on Bottom: 38.15,33 43.65,33 43.65,23.5 38.15,23.5
Net-(Q10-D) on Bottom: 44.65,33 50.15,33 50.15,23.5 44.65,23.5
Net-(Q11-D) on Bottom: 51.15,33 56.65,33 56.65,23.5 51.15,23.5
Net-(Q12-D) on Bottom: 57.65,33 63.15,33 63.15,23.5 57.65,23.5
Net-(Q13-D) on Bottom: 71.15,33 76.65,33 76.65,23.5 71.15,23.5
Net-(Q14-D) on Bottom: 77.65,33 83.15,33 83.15,23.5 77.65,23.5
Net-(Q15-D) on Bottom: 84.15,33 89.65,33 89.65,23.5 84.15,23.5
Net-(Q16-D) on Bottom: 90.65,33 96.15,33 96.15,23.5 90.65,23.5

## Text on the board
B.Silkscreen: BOARD REV 1B / HTTPS://GITHUB.COM/OPENMODBUS/OM-16LED
F.Silkscreen: V | G | A | B | 09 | 10 | 01 | 11 | 02 | 12 | 03 | 04 | 13 | 14 | 05 | 15 | 06 | 16 | 07 | 08 | 12V | V_{IN} | 24V | GND | NRST | 3V3 | 16 CHANNEL LED DRIVER | SWO | SWCLK | SWDIO
